# Altium PCB LimeSDR-Micro_M.2_2280_1v1.PcbDoc (part 5 of 7) (continued)
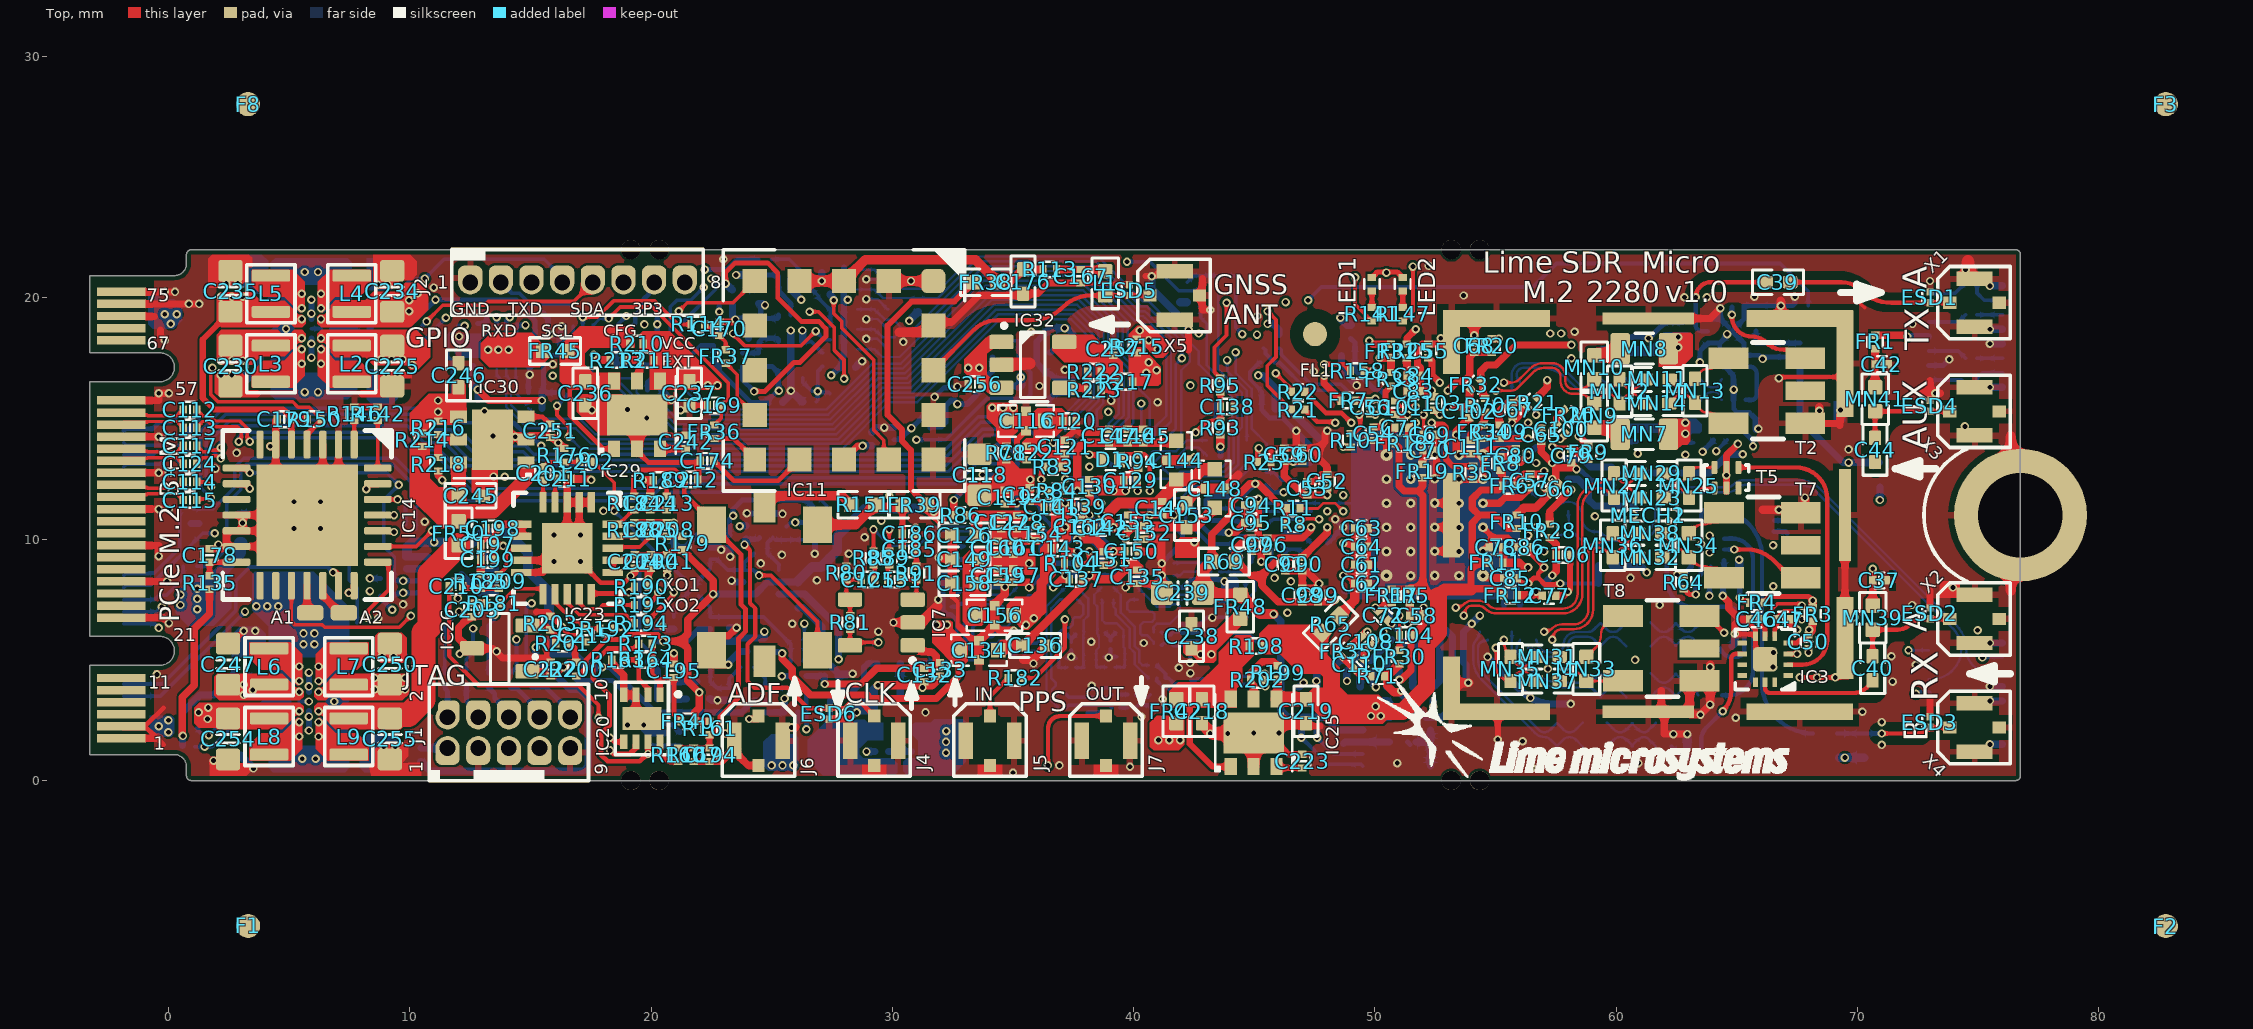
[diagram p0: Top view]
## Nets (pads, with @x,y where several pads share a name; then routed paths per layer and width w, separated by ;. In a path a pad name is that pad's centre, name@x,y a point inside that pad or via, vN(x,y) a via of type N, cw(c..) or ccw(c..) an arc to the next point about the centre after c; other vN are vias at no path point) (continued)
NetIC25_5: IC25.5 R199.2 R202.1 | length 2.6
  Top w0.3: IC25.5@44.905,3.445 IC25.5@44.975,3.375 44.975,3.925 44.85,4.05 R202.1@44.85,4.175 44.85,4.451 45.324,4.925 45.799,4.925 45.95,4.774 45.95,4.755 R199.2@45.975,4.755
NetIC26_2: IC26.2 R201.2 R203.1 | length 1.7
  Top w0.25: IC26.2@14.876,6.425 15.646,6.425 R203.1@15.826,6.245 15.851,6.245 15.876,6.22 15.876,6.195 16.04,6.031 16.04,5.699 R201.2@16.051,5.688
NetIC27_A2: IC27.A2 IC27.B2 L3.1
  other v1: 5.525,17.275 5.525,17.875
NetIC27_A4: IC27.A4 IC27.B4 L2.1
  other v1: 6.325,17.275 6.325,17.875
NetIC27_F2: IC27.F2 IC27.G2 L5.1
  other v1: 5.525,19.575 5.525,20.175
NetIC27_F4: IC27.F4 IC27.G4 L4.1
  other v1: 6.325,19.575 6.325,20.175
NetIC28_5: IC28.5 R205.2 R206.1 | length 1.8
  Bottom w0.3: R206.1@29.84,1.2 30.09,1.2 30.315,1.426 ; R205.2@30.79,1.2 30.541,1.2 30.315,1.426 ; 30.315,1.426 IC28.5@30.315,2.04 ; IC28.5@30.315,2.04 IC28.5@30.325,2.05 IC28.5@30.315,2.04
NetIC29_5: IC29.5 R211.2 R213.1 | length 1.6
  Top w0.3: R213.1@18.865,17.425 R211.2@19.565,17.425 19.525,17.385 19.525,16.65 IC29.5@19.425,16.55 ; IC29.5@19.34,16.56 IC29.5@19.35,16.55
NetIC30_5: IC30.5 R216.2 R218.1 | length 1.8
  Top w0.3: R218.1@11.175,13.39 11.175,13.91 11.39,14.125 ; R216.2@11.175,14.34 11.39,14.125 ; IC30.5@12.025,14.125 11.39,14.125
NetIC31_A2: IC31.A2 IC31.B2 L7.1
  other v1: 6.225,4.125 6.225,4.725
NetIC31_A4: IC31.A4 IC31.B4 L6.1
  other v1: 5.425,4.125 5.425,4.725
NetIC31_C5: IC31.C5 IC31.D3 IC31.D4 R219.2 | length 3.9
  L6 w0.15: v2(4.55,3.675) 4.95,3.275 v1(5.825,3.275)
  Bottom w0.15: R219.2@3.325,4.425 4.075,3.675 IC31.C5@5.025,3.675 ; IC31.D4@5.425,3.275 v1(5.825,3.275)
NetIC31_F2: IC31.F2 IC31.G2 L9.1
  other v1: 6.225,1.825 6.225,2.425
NetIC31_F4: IC31.F4 IC31.G4 L8.1
  other v1: 5.425,1.825 5.425,2.425
NetIC32_4: IC32.4 R222.2 R223.1 | length 1.7
  Top w0.3: IC32.4@37.125,16.275 38.02,16.275 38.07,16.225 R223.1@38.095,16.225 ; R223.1@38.095,16.2 R223.1@38.095,16.225 ; R222.2@38.095,16.95 R223.1@38.095,16.225
NetJ1_1: J1.1 pad.2@11.57,1.15 R72.1 | length 1.1
  Bottom w0.3: R72.1@10.48,1.35 J1.1@11.57,1.35
NetJ1_2: J1.2 pad.2@11.57,2.82 pad.2@11.62,2.82 R73.2 | length 1.3
  Bottom w0.2: R73.2@11.45,3.87 11.475,3.87 11.475,3.798 11.57,3.703 J1.2@11.57,2.62
NetJ1_4: J1.4 pad.2@12.84,2.82 R74.2 | length 1.5
  Bottom w0.2: R74.2@12.35,3.87 12.35,3.31 pad.2@12.84,2.82 J1.4@12.84,2.62
NetJ1_6: J1.6 pad.2@14.11,2.82 R75.2 | length 1.6
  Bottom w0.2: R75.2@13.25,3.87 13.525,3.595 13.525,3.405 pad.2@14.11,2.82 J1.6@14.11,2.62
NetJ1_8: J1.8 pad.2@15.38,2.82 R76.2 | length 1.9
  Bottom w0.2: R76.2@14.15,3.87 14.175,3.87 14.225,3.82 14.43,3.82 15.38,2.87 pad.2@15.38,2.82 J1.8@15.38,2.62
NetJ1_10: J1.10 pad.2@16.65,2.82 R77.1 | length 2.3
  Bottom w0.2: R77.1@15.05,3.87 15.63,3.87 16.65,2.85 pad.2@16.65,2.82 J1.10@16.65,2.62
NetLED1_K: LED1.K R141.1 | length 0.7
  Top w0.2: R141.1@49.875,19.605 LED1.K@49.875,20.29
NetLED2_K: LED2.K R147.1 | length 0.7
  Top w0.2: R147.1@51.15,19.605 LED2.K@51.15,20.29
NetMN7_1: MN7.1 MN9.2 | length 1.2
  Top w0.6: MN9.2@59.091,14.625 59.891,14.625 MN7.1@60.166,14.35
NetMN8_1: MN8.1 MN10.2 | length 1.2
  Top w0.6: MN10.2@59.091,17.625 59.891,17.625 MN8.1@60.166,17.9
NetR2_2: R2.2 R3.2 R4.2 | length 0.6
  Bottom w0.15: R2.2@37.231,6.05 37.416,5.865 ; R3.2@37.416,5.74 37.416,5.865 ; R4.2@37.601,6.05 37.416,5.865
NetR16_2: R16.2 R17.2 R18.2 | length 0.7
  Bottom w0.15: R18.2@38.831,6.125 39.041,5.915 ; R17.2@39.041,5.79 39.041,5.915 ; R16.2@39.251,6.125 39.041,5.915
NetR82_1: R82.1 TP1.1 | length 1.1
  Bottom w0.2: R82.1@43.036,14.66 43.416,15.04 TP1.1@43.416,15.6
NetR151_1: R151.1 XO1.6 | length 4.1
  Top w0.4: XO1.6@24.7,11.35 24.7,11.55 24.95,11.8 27.925,11.8 R151.1@28.3,11.425
NetR182_1: R182.1 R183.1 | length 52.4
  Top w0.15: v1(23.4,18.525) 23.4,18.503 23.878,18.025 26.225,18.025 v1(26.825,18.625) v1@26.825,18.525
  Top w0.18: R182.1@35.365,4.25 35.9,4.25 37.15,5.5 v1(37.15,6.675)
  L4 w0.1: v1(23.4,18.525) 22.75,17.875 22.475,17.875 21.3,16.7 21.3,15.925 22.163,15.062 25.362,15.062 26.774,16.474 27.175,16.474 27.374,16.275 29.8,16.275 32.75,19.225 42.825,19.225 43.325,18.725 43.325,17.95 43.175,17.8 43.175,16.9 44.275,15.8 44.275,13.675 42.675,12.075 42.675,11.25 39.925,8.5 39.65,8.5 37.825,6.675 v1(37.15,6.675)
  Bottom w0.15: v1(26.825,18.625) 27.185,18.265 R183.1@27.43,18.265
PCIE_PER0_N: C124.1 J3.P47 | length 2.7
  Top w0.14: J3.P47@-1.95,13.25 -1.845,13.355 -0.873,13.355 -0.848,13.38 0.365,13.38 ; 0.36,13.38 C124.1@0.615,13.125
PCIE_PER0_P: C117.1 J3.P49 | length 2.7
  Top w0.14: J3.P49@-1.95,13.75 -1.845,13.645 -0.873,13.645 -0.848,13.62 0.36,13.62 C117.1@0.615,13.875
PCIE_PERST#: J3.P50 R95.1 R140.2 R212.1 | length 59.1
  Top w0.15: R95.1@43.596,16.668 43.571,16.668 43.496,16.743 43.496,16.768 43.35,16.914 43.35,17.95 43.85,18.45 v1(43.85,19.8)
  L6 w0.1: v2(0.975,13.425) 0.975,13.075 1.5,12.55 1.975,12.55 2.95,11.575 3.675,11.575 7.975,15.875 7.975,17.625 8.8,18.45 11.034,18.45 11.5,18.916 v1(11.5,19.175) 12.3,19.975 23.35,19.975 24.25,20.875 26.55,20.875 26.9,21.225 38.933,21.225 39.583,20.575 41.625,20.575 42.075,21.025 42.625,21.025 v1(43.85,19.8)
  Bottom w0.15: J3.P50@-1.85,14 -1.75,13.9 -0.737,13.9 0.445,13.9 0.55,13.795 0.55,13.77 0.625,13.695 R140.2@0.65,13.695 0.68,13.695 v2@1.025,13.35 ; R212.1@9.455,18.05 10.375,18.05 v1(11.5,19.175)
PCIE_PET0_N: C115.1 J3.P41 | length 2.7
  Top w0.14: J3.P41@-1.95,11.75 -1.845,11.855 -0.873,11.855 -0.848,11.88 0.365,11.88 ; 0.36,11.88 C115.1@0.615,11.625
PCIE_PET0_P: C114.1 J3.P43 | length 2.7
  Top w0.14: J3.P43@-1.95,12.25 -1.845,12.145 -0.873,12.145 -0.848,12.12 0.36,12.12 C114.1@0.615,12.375
PCIE_PPS_IN: J3.P46 R177.1 | length 36.8
  L6 w0.1: v2(-0.225,13.25) 0.325,13.25 1.975,14.9 3.267,14.9 3.7,14.467 3.7,13.817 2.85,12.967 2.85,12.1 3.175,11.775 3.51,11.775 7.775,16.04 7.775,17.708 8.742,18.675 10.865,18.675 11.125,18.935 11.125,19.325 11.85,20.05 11.85,20.899 12.241,21.29 21.735,21.29 21.85,21.175 v1(22.225,21.175)
  Bottom w0.15: J3.P46@-1.85,13 -1.75,13.1 -0.737,13.1 -0.375,13.1 v2(-0.225,13.25)
  Bottom w0.2: v1(22.225,21.175) 23.15,21.175 23.575,21.6 R177.1@24.445,21.6
PCIE_PPS_OUT: J3.P48 R193.1 | length 2.9
  Bottom w0.15: J3.P48@-1.85,13.5 -0.625,13.5 -0.475,13.65 0.005,13.65 0.575,13.08 0.575,13.055 0.65,12.98 R193.1@0.675,12.98
PCIE_REF_CLK_N: C113.1 J3.P53 | length 2.7
  Top w0.14: J3.P53@-1.95,14.75 -1.845,14.855 -0.873,14.855 -0.848,14.88 0.365,14.88 ; 0.36,14.88 C113.1@0.615,14.625
PCIE_REF_CLK_P: C112.1 J3.P55 | length 2.7
  Top w0.14: J3.P55@-1.95,15.25 -1.845,15.145 -0.873,15.145 -0.848,15.12 0.36,15.12 C112.1@0.615,15.375
PCIE_W_DISABLE1#: IC14.4 J3.P8 R150.2 | length 24.5
  Top w0.15: v1@1.75,17.075 1.75,16.003 2.053,15.7 5.15,15.7 5.375,15.475 5.837,15.475 6.237,15.075 6.25,15.075 6.325,15 R150.2@6.325,14.975
  Top w0.2: IC14.4@5.75,13.925 5.75,14.35 R150.2@6.35,14.95
  L4 w0.1: v1(1.825,17.1) 1.825,14.725 2.5,14.05 2.5,12.375 2.675,12.2 2.675,7.5 v1(3.175,7)
  Bottom w0.15: J3.P8@-1.85,3.5 -0.325,3.5 v1(3.175,7)
PCIE_W_DISABLE2#: J3.P26 R79.1 R145.2 | length 25.6
  L6 w0.1: v1(1.925,10.25) 3.15,10.25 8.458,15.558 8.458,17.542 8.965,18.05 11.2,18.05 12,18.85 v1(12.275,18.85)
  Bottom w0.15: J3.P26@-1.85,8 -1.756,8.094 -0.733,8.094 -0.678,8.15 -0.575,8.252 1.422,10.25 v1(1.925,10.25) ; v1(12.275,18.85) 12.005,18.85 11.575,18.42 11.575,17.575 11.77,17.38 11.77,15.285 11.775,15.28 11.775,15.25 12.2,14.825 R79.1@13.295,14.825
R1_N: C124.2 IC6.R2 | length 37.3
  Top w0.14: C124.2@1.175,13.125 1.43,13.38 1.769,13.38 1.844,13.455 2.013,13.455 2.118,13.35 v1(2.175,13.35)
  Bottom w0.14: v1(2.175,13.35) 2.137,13.35 1.83,13.657 1.83,14.215 2.555,14.94 9.999,14.94 10.689,14.25 11.525,14.25 11.666,14.109 12.475,13.3 14.5,13.3 14.51,13.29 14.524,13.29 14.769,13.045 32.209,13.045 33.724,14.56 35.107,14.56 IC6.R2@35.167,14.5
R1_P: C117.2 IC6.P2 | length 36.3
  Top w0.14: C117.2@1.175,13.875 1.43,13.62 1.67,13.62 1.745,13.695 2.07,13.695 v1(2.175,13.8)
  Bottom w0.14: v1(2.175,13.8) 2.175,14.221 2.654,14.7 9.9,14.7 10.59,14.01 11.426,14.01 12.386,13.05 14.425,13.05 14.67,12.805 32.309,12.805 33.824,14.32 34.847,14.32 IC6.P2@35.167,14
RX1_H: IC3.2 T5.1 | length 12.5
  Top w0.18: T5.1@65.066,12.975 67.441,12.975 cw(c67.441,11.675) 68.741,11.675 68.741,5.818 cw(c67.722,5.818) 67.722,4.8 IC3.2@67.118,4.8
RX1_H_A_N: IC1.AJ15 MN27.1 MN29.2 | length 12.8
  Top w0.1: v1(53.348,7.166) cw(c53.43,7.084) 53.43,7.2 ccw(c53.43,7.546) 53.675,7.301 cw(c54.034,6.943) 54.034,7.45 54.265,7.45 cw(c54.265,6.826) 54.706,7.267 ; 54.707,7.266 ccw(c55.049,7.608) 55.049,7.125 57.791,7.125 ccw(c57.791,7.731) 58.397,7.731 58.397,11.43 cw(c59.144,11.43) 58.616,11.958 58.796,12.138 ; 58.852,12.194 58.796,12.138 ; 59.25,12.325 ccw(c59.25,11.681) 58.796,12.138 ; 59.251,12.325 ccw(c59.251,12.96) 59.7,12.511 MN27.1@59.889,12.7 ; MN27.1@59.914,12.725 MN27.1@59.889,12.7 ; MN29.2@60.964,12.725 60.67,12.432 cw(c60.413,12.69) 60.414,12.325 cw(c60.415,12.69) 60.157,12.432 MN27.1@59.889,12.7
RX1_H_A_P: IC1.AK14 MN23.2 MN27.2 | length 12.6
  Top w0.1: v1(53.681,6.833) ccw(c53.599,6.915) 53.715,6.915 53.715,6.923 cw(c54.042,6.923) 53.811,7.154 cw(c54.042,6.923) 54.042,7.25 54.264,7.25 cw(c54.264,6.823) 54.566,7.124 ccw(c55.048,7.606) 55.048,6.925 57.791,6.925 ccw(c57.791,7.731) 58.597,7.731 58.597,11.347 cw(c59.344,11.347) 58.816,11.875 58.935,11.994 cw(c59.251,11.678) 59.251,12.125 cw(c59.251,11.49) 59.7,11.939 MN27.2@59.889,11.75 ; MN27.2@59.914,11.725 MN27.2@59.889,11.75 ; MN23.2@60.964,11.725 60.67,12.018 ccw(c60.413,11.76) 60.414,12.125 ccw(c60.415,11.76) 60.157,12.018 MN27.2@59.889,11.75
RX1_H_B_N: MN25.1 MN29.1 T5.3 | length 2.6
  Top w0.1: MN29.1@61.964,12.725 62.257,12.432 ccw(c62.515,12.69) 62.515,12.325 ; 62.513,12.325 ccw(c62.513,12.69) 62.77,12.432 MN25.1@63.039,12.7 ; MN25.1@63.014,12.725 cw(c63.264,12.725) 63.264,12.975 T5.3@64.066,12.975
RX1_H_B_P: MN23.1 MN25.2 T5.4 | length 2.5
  Top w0.1: MN23.1@61.964,11.725 62.257,12.018 cw(c62.515,11.76) 62.514,12.125 cw(c62.513,11.76) 62.77,12.018 MN25.2@63.017,11.772 ; MN25.2@63.014,11.725 cw(c63.414,11.725) MN25.2@63.017,11.772 ; MN25.2@63.039,11.75 MN25.2@63.017,11.772 ; MN25.2@63.142,11.772 cw(c63.539,11.725) 63.539,12.125 T5.4@64.066,12.125
RX1_L: IC3.9 T3.2 | length 6.3
  Top w0.18: v1(64.416,2.875) ccw(c63.571,3.72) 64.766,3.72 64.766,5.05 cw(c64.966,5.05) 64.966,5.25 IC3.9@65.213,5.25
  Bottom w0.18: T3.2@62.291,1.41 62.627,1.074 ccw(c62.866,1.313) 62.866,0.975 63.191,0.975 ccw(c63.191,1.3) 63.516,1.3 63.516,1.662 cw(c64.27,1.662) 63.737,2.196 v1(64.416,2.875)
RX1_L_A_N: IC1.AM12 MN19.1 MN21.2 | length 7.7
  Bottom w0.1: IC1.AM12@54.313,6.085 cw(c53.967,6.085) 54.212,5.84 ccw(c54.552,5.499) 54.071,5.499 54.071,5.018 ccw(c55.232,5.018) 54.411,4.197 ; IC1.AM12@54.313,6.085 cw(c54.429,6.085) IC1.AM12@54.347,6.167 ; 54.437,4.171 56.517,2.091 56.658,1.95 ccw(c57.011,2.302) 57.011,1.803 57.012,1.803 cw(c57.012,1.439) 57.27,1.697 MN19.1@57.538,1.428 ; MN19.1@57.563,1.403 MN19.1@57.538,1.428 ; MN21.2@58.613,1.403 58.32,1.697 ccw(c58.062,1.439) 58.063,1.803 ccw(c58.064,1.439) 57.807,1.697 MN19.1@57.538,1.428
RX1_L_A_P: IC1.AN11 MN16.2 MN19.2 | length 7.3
  Bottom w0.1: IC1.AN11@54.68,5.834 cw(c54.598,5.916) 54.598,5.8 54.588,5.8 ccw(c54.588,5.477) 54.36,5.706 ccw(c54.576,5.49) 54.271,5.49 54.271,5.055 ccw(c55.32,5.055) 54.578,4.313 54.637,4.254 56.717,2.174 56.799,2.092 ccw(c57.012,2.305) 57.012,2.003 ccw(c57.012,2.368) 57.27,2.11 57.538,2.378 57.807,2.11 ccw(c58.064,2.368) 58.063,2.004 ccw(c58.062,2.368) 58.32,2.11 MN16.2@58.613,2.403
RX1_L_B_N: MN17.1 MN21.1 T3.3 | length 2.7
  Bottom w0.1: MN21.1@59.613,1.403 59.907,1.697 cw(c60.164,1.439) 60.164,1.803 ; 60.162,1.803 cw(c60.162,1.439) 60.42,1.697 MN17.1@60.688,1.428 ; MN17.1@60.638,1.429 60.907,1.697 cw(c61.164,1.439) 61.164,1.803 cw(c61.164,1.586) 61.318,1.74 T3.3@61.641,1.417
RX1_L_B_P: MN16.1 MN17.2 T3.4 | length 2.7
  Bottom w0.1: MN16.1@59.613,2.403 59.907,2.11 ccw(c60.164,2.368) 60.163,2.004 ccw(c60.162,2.368) 60.42,2.11 MN17.2@60.688,2.378 ; MN17.2@60.638,2.378 60.663,2.354 60.907,2.11 ccw(c61.164,2.368) 61.164,2.004 ccw(c61.164,2.221) 61.318,2.067 T3.4@61.641,2.39
RX1_W: IC3.3 T8.1 | length 5
  Top w0.18: T8.1@63.456,6.82 T8.1@63.721,6.82 ; T8.1@63.746,6.845 v1(64.466,6.125) ; IC3.3@67.118,5.25 v1(67.491,5.25)
  L6 w0.1: v1@64.441,6.1 ccw(c64.501,6.1) 64.458,6.057 64.666,5.85 ccw(c65.028,6.212) 65.028,5.7 66.454,5.7 cw(c66.454,5.25) 66.773,5.568 66.808,5.533 ccw(c67.491,6.216) v1(67.491,5.25)
RX1_W_A_N: IC1.AP10 MN35.1 MN37.2 | length 3
  Top w0.1: v1(55.013,5.501) 55.013,4.727 ccw(c55.591,4.727) 55.591,4.15 55.859,4.418 cw(c56.117,4.16) 56.117,4.525 ; 56.115,4.525 cw(c56.115,4.16) 56.372,4.418 MN37.2@56.666,4.125
RX1_W_A_P: IC1.AN9 MN31.2 MN35.2 | length 2.4
  Top w0.1: v1(55.346,5.834) 55.346,5.776 ccw(c56.266,5.776) MN35.2@55.616,5.125 MN35.2@55.411,5.125 ; MN35.2@55.591,5.1 55.859,4.832 ccw(c56.117,5.09) 56.117,4.725 ; 56.115,4.725 ccw(c56.115,5.09) 56.372,4.832 MN31.2@56.666,5.125
RX1_W_B_N: MN33.1 MN37.1 T8.4 | length 2.9
  Top w0.1: MN37.1@57.666,4.125 57.959,4.418 cw(c58.217,4.16) 58.217,4.525 ; 58.215,4.525 cw(c58.215,4.16) 58.472,4.418 MN33.1@58.741,4.15 ; MN33.1@58.766,4.125 T8.4@60.276,4.125
RX1_W_B_P: MN31.1 MN33.2 T8.6 | length 3.8
  Top w0.1: MN31.1@57.666,5.125 57.959,4.832 ccw(c58.217,5.09) 58.217,4.725 ; 58.215,4.725 ccw(c58.215,5.09) 58.472,4.832 MN33.2@58.741,5.1 ; MN33.2@58.766,5.125 59.136,5.495 ccw(c58.581,6.05) 59.366,6.05 ; 59.366,6.084 cw(c59.827,6.084) 59.501,6.41 59.501,6.42 59.643,6.562 59.653,6.562 cw(c60.276,5.939) T8.6@60.276,6.82
RX2_H: IC4.2 T6.1 | length 8.2
  Bottom w0.18: T6.1@64.399,3.53 64.659,3.53 ccw(c64.659,4.536) 65.666,4.536 65.666,9.179 ccw(c64.819,9.179) 64.819,10.025 IC4.2@64.468,10.025
RX2_H_A_N: IC1.AM8 MN28.1 MN30.2 | length 6.7
  Bottom w0.1: IC1.AM8@55.679,6.167 55.671,6.159 55.671,5.493 ccw(c56.591,5.493) 55.941,4.842 56.377,4.406 ccw(c57.709,5.739) 57.709,3.855 58.485,3.855 58.817,3.855 cw(c58.817,3.49) 59.075,3.748 MN28.1@59.343,3.48 ; MN28.1@59.368,3.455 MN28.1@59.343,3.48 ; MN30.2@60.418,3.455 60.125,3.748 ccw(c59.867,3.49) 59.868,3.854 ccw(c59.869,3.49) 59.612,3.748 MN28.1@59.343,3.48
RX2_H_A_P: IC1.AN7 MN24.2 MN28.2 | length 6
  Bottom w0.1: IC1.AN7@56.012,5.834 cw(c55.909,5.834) 55.982,5.761 ccw(c56.25,5.494) 55.871,5.494 ccw(c56.593,5.494) 56.083,4.983 56.516,4.55 ccw(c57.712,5.746) 57.712,4.055 58.485,4.055 ; 58.488,4.055 58.817,4.055 ccw(c58.817,4.419) 59.075,4.161 59.343,4.43 59.612,4.161 ccw(c59.869,4.419) 59.868,4.055 ccw(c59.867,4.419) 60.125,4.161 MN24.2@60.418,4.455
RX2_H_B_N: MN26.1 MN30.1 T6.3 | length 2.7
  Bottom w0.1: MN30.1@61.418,3.455 61.712,3.748 cw(c61.969,3.49) 61.969,3.854 ; 61.967,3.854 cw(c61.967,3.49) 62.225,3.748 MN26.1@62.468,3.505 ; MN26.1@62.443,3.48 MN26.1@62.468,3.505 ; MN26.1@62.493,3.48 MN26.1@62.468,3.505 ; T6.3@63.399,3.53 cw(c63.519,3.65) 63.349,3.65 ccw(c63.144,3.65) 63.144,3.855 62.969,3.855 ccw(c62.969,3.49) 62.712,3.748 MN26.1@62.468,3.505
RX2_H_B_P: MN24.1 MN26.2 T6.4 | length 2.7
  Bottom w0.1: MN24.1@61.418,4.455 61.712,4.161 ccw(c61.969,4.419) 61.969,4.055 ; 61.967,4.055 ccw(c61.967,4.419) 62.225,4.161 MN26.2@62.493,4.43 ; MN26.2@62.443,4.43 62.712,4.161 ccw(c62.969,4.419) 62.969,4.055 63.144,4.055 ccw(c63.144,4.259) 63.349,4.259 cw(c63.519,4.259) T6.4@63.399,4.38
RX2_L: IC4.9 T4.2 | length 8.4
  Bottom w0.18: IC4.9@62.563,9.575 62.416,9.575 ccw(c62.416,9.25) 62.194,9.487 ccw(c62.416,9.25) 62.091,9.25 62.091,8.325 ccw(c63.216,8.325) 63.216,7.2 64.545,7.2 cw(c64.545,6.445) 65.3,6.445 65.3,5.43 cw(c65,5.43) 65,5.13 64.725,5.13 cw(c64.725,5.467) 64.486,5.229 T4.2@64.15,5.565
RX2_L_A_N: IC1.AP6 MN20.1 MN22.2 | length 5.1
  Bottom w0.1: IC1.AP6@56.345,5.501 ccw(c56.427,5.583) 56.427,5.467 cw(c56.427,5.121) 56.672,5.366 56.752,5.286 ccw(c57.14,5.674) 57.14,5.125 57.516,5.125 ccw(c57.516,5.625) 58.016,5.625 cw(c58.345,5.625) 58.345,5.954 58.817,5.954 cw(c58.817,5.59) 59.075,5.848 MN20.1@59.343,5.58 ; MN20.1@59.368,5.555 MN20.1@59.343,5.58 ; MN22.2@60.418,5.555 60.125,5.848 ccw(c59.867,5.59) 59.868,5.954 ccw(c59.869,5.59) 59.612,5.848 MN20.1@59.343,5.58
RX2_L_A_P: IC1.AN5 MN15.2 MN20.2 | length 4.9
  Bottom w0.1: IC1.AN5@56.678,5.834 cw(c56.596,5.752) 56.712,5.752 ccw(c57.059,5.752) 56.814,5.507 56.893,5.427 ccw(c57.141,5.675) 57.141,5.325 57.516,5.325 ccw(c57.516,5.625) 57.816,5.625 cw(c58.345,5.625) 58.345,6.155 58.817,6.155 ccw(c58.817,6.519) 59.075,6.261 59.343,6.53 59.612,6.261 ccw(c59.869,6.519) 59.868,6.155 ccw(c59.867,6.519) 60.125,6.261 MN15.2@60.418,6.555
RX2_L_B_N: MN18.1 MN22.1 T4.3 | length 2.7
  Bottom w0.1: MN22.1@61.418,5.555 61.712,5.848 cw(c61.969,5.59) 61.968,5.954 cw(c61.967,5.59) 62.225,5.848 MN18.1@62.468,5.605 ; MN18.1@62.443,5.58 MN18.1@62.468,5.605 ; MN18.1@62.493,5.58 MN18.1@62.468,5.605 ; T4.3@63.5,5.565 63.21,5.855 ccw(c62.969,5.614) 62.969,5.955 ccw(c62.969,5.59) 62.712,5.848 MN18.1@62.468,5.605
RX2_L_B_P: MN15.1 MN18.2 T4.4 | length 2.7
  Bottom w0.1: MN15.1@61.418,6.555 61.712,6.261 ccw(c61.969,6.519) 61.968,6.155 ccw(c61.967,6.519) 62.225,6.261 MN18.2@62.468,6.504 ; MN18.2@62.443,6.53 MN18.2@62.468,6.504 ; MN18.2@62.493,6.53 MN18.2@62.468,6.504 ; T4.4@63.5,6.545 63.21,6.254 cw(c62.969,6.495) 62.969,6.155 cw(c62.969,6.519) 62.712,6.261 MN18.2@62.468,6.504
RX2_W: IC4.3 T7.3 | length 3.5
  Top w0.18: v1(64.891,9.575) 65.429,9.575 cw(c65.429,8.039) 66.516,9.125 66.969,8.672 ccw(c67.613,9.315) T7.3@67.613,8.405
  Bottom w0.18: IC4.3@64.468,9.575 v1(64.891,9.575)
RX2_W_A_N: IC1.AM4 MN36.1 MN38.2 | length 7.4
  Top w0.1: v1(57.011,6.167) cw(c57.093,6.085) 57.093,6.201 ccw(c57.093,6.547) 57.338,6.302 ; 57.339,6.303 cw(c57.754,5.888) 57.754,6.475 58.235,6.475 ccw(c58.235,7.081) 58.841,7.081 58.841,9.5 cw(c59.191,9.5) 59.191,9.85 ccw(c59.191,10.485) 59.64,10.036 MN36.1@59.829,10.225 ; MN36.1@59.854,10.25 MN36.1@59.829,10.225 ; MN38.2@60.904,10.25 60.61,9.957 cw(c60.353,10.215) 60.354,9.85 cw(c60.355,10.215) 60.097,9.957 MN36.1@59.829,10.225
RX2_W_A_P: IC1.AN3 MN32.2 MN36.2 | length 7.2
  Top w0.1: v1(57.344,5.834) ccw(c57.262,5.916) 57.378,5.916 cw(c57.725,5.916) 57.48,6.161 cw(c57.755,5.886) 57.755,6.275 58.235,6.275 ccw(c58.235,7.081) 59.041,7.081 59.041,9.5 cw(c59.191,9.5) 59.191,9.65 cw(c59.191,9.015) 59.64,9.464 MN36.2@59.829,9.275 ; MN36.2@59.854,9.25 MN36.2@59.829,9.275 ; MN32.2@60.904,9.25 60.61,9.543 ccw(c60.353,9.285) 60.354,9.65 ccw(c60.355,9.285) 60.097,9.543 MN36.2@59.829,9.275
RX2_W_B_N: MN34.1 MN38.1 T7.6 | length 3.1
  Top w0.1: MN38.1@61.904,10.25 62.197,9.957 ccw(c62.455,10.215) 62.455,9.85 ; 62.453,9.85 ccw(c62.453,10.215) 62.71,9.957 MN34.1@62.979,10.225 ; MN34.1@63.004,10.25 63.221,10.468 cw(c63.541,10.148) 63.541,10.6 ccw(c63.541,11.633) 64.271,10.903 T7.6@64.464,11.095
RX2_W_B_P: MN32.1 MN34.2 T7.4 | length 2.8
  Top w0.1: MN32.1@61.904,9.25 62.197,9.543 cw(c62.455,9.285) 62.455,9.65 ; 62.453,9.65 cw(c62.453,9.285) 62.71,9.543 MN34.2@62.979,9.275 ; MN34.2@63.221,9.032 ccw(c63.541,9.352) 63.541,8.9 cw(c63.541,7.867) 64.271,8.597 T7.4@64.464,8.405
RX_AUX: C44.1 ESD4.1 MN41.1 X3.1 | length 4.2
  Top w0.18: C44.1@70.725,14.2 MN41.1@70.725,15.3 ESD4.1@73,15.3 X3.1@73.825,15.3
RX_SW2: IC14.25 R60.2 | length 72.2
  Top w0.15: IC14.25@8.675,11 v1(9.35,11)
  L4 w0.1: v1(29.875,11.8) 30.45,11.225 30.45,7.275 31.625,6.1 32.875,6.1 34.342,7.567 34.342,8.16 34.532,8.35 35.825,8.35 36.775,7.4 36.775,6.425 37.775,5.425 39.1,5.425 39.4,5.125 40.75,5.125 42.7,3.175 44.3,3.175 46.025,1.45 48.75,1.45 49.5,2.2 50.875,2.2 52.3,3.625 55.3,3.625 56.9,5.225 57.4,5.225 59.975,7.8 59.975,8.625 60.775,9.425 61.275,9.425 63.575,11.725 v1(63.575,13.625)
  L6 w0.1: v1(9.35,11) 9.825,11 10.95,12.125 29.55,12.125 v1(29.875,11.8)
  Bottom w0.2: v1(63.575,13.625) 63.575,13.639 64.036,14.1 R60.2@64.036,14.125
RX_SW2_DIV: C46.1 C48.1 IC3.6 IC4.6 R60.1 R64.1 | length 20
  Top w0.15: C46.1@66.096,6.675 66.146,6.725 66.146,6.793 66.678,7.325 v1@67.616,7.325
  Top w0.2: R64.1@62.791,7.945 62.816,7.945 62.866,7.895 62.866,7.87 63.024,7.712 63.293,7.712 v1(63.294,7.71) ; C46.1@66.096,6.675 66.096,6.345 66.166,6.275 IC3.6@66.166,5.977
  L4 w0.1: v1(63.294,7.71) 63.959,8.375 65.3,8.375 66.425,7.25 v1(67.691,7.25) 67.691,11.1 66.691,12.1 66.691,13.334 65.825,14.2 65.5,14.2 65.35,14.35 64.846,14.35 v1(64.146,13.65)
  Bottom w0.15: v1(64.146,13.65) 64.146,13.675 64.158,13.675 64.596,14.113 R60.1@64.596,14.125
  Bottom w0.2: v1(63.294,7.71) C48.1@63.294,8.06 63.294,8.354 63.516,8.575 IC4.6@63.516,8.847
RX_SW3: IC14.27 R61.2 | length 74.5
  Top w0.3: v1(8.2,12.075) 8.2,12.089 8.25,12.139 8.25,12.3 IC14.27@8.675,12.3
  L6 w0.1: v1(8.2,12.075) 8.2,9.85 8.95,9.1 9.7,9.1 11.15,7.65 11.15,6.6 11.875,5.875 13.825,5.875 14.175,5.525 14.65,5.525 15.025,5.9 15.609,5.9 15.859,5.65 18.259,5.65 19.209,4.7 21.15,4.7 22.45,6 23.75,6 24.325,6.575 25.4,6.575 25.675,6.85 27.7,6.85 29.15,5.4 35.091,5.4 36.041,6.35 37.575,6.35 38.2,6.975 40.1,6.975 41.3,8.175 ; 41.301,8.175 41.492,8.365 ; 41.492,8.367 42,8.875 42.525,8.875 42.891,9.241 42.891,12.591 44.016,13.716 44.016,14.4 46.291,16.675 46.291,17.36 48.581,19.65 50.659,19.65 50.934,19.375 54.066,19.375 54.391,19.7 58.916,19.7 60.766,17.85 60.766,17.025 62.391,15.4 63.256,15.4 v2(63.806,14.85)
RX_SW3_DIV: C47.1 C49.1 IC3.5 IC4.5 R61.1 R63.1 | length 18.5
  Top w0.15: C47.1@66.636,6.723 66.938,7.025 67.418,7.025 67.691,6.752 v1@67.691,6.7
  Top w0.2: IC3.5@66.566,5.977 66.566,6.275 66.636,6.345 C47.1@66.636,6.675 C47.1@66.636,6.723
  L4 w0.1: v1(65.666,13.85) 65.666,13.845 65.925,13.586 65.925,11.3 64.191,9.566 64.191,9.066 62.966,7.841 62.966,7.55 63.131,7.385 63.596,7.385 v1(63.861,7.65) 64.386,8.175 65.2,8.175 66.35,7.025 67.341,7.025 v1(67.691,6.675)
  Bottom w0.2: v1(63.861,7.65) C49.1@63.861,8 63.916,8.055 IC4.5@63.916,8.847 ; R61.1@64.591,14.85 R63.1@65.231,14.85 65.231,14.51 65.666,14.075 v1(65.666,13.85)
RXA: C40.1 ESD2.1 MN39.1 X2.1 | length 4.4
  Top w0.18: C40.1@70.625,5.15 MN39.1@70.625,6.25 71.667,6.25 ccw(c71.667,6.933) 72.15,6.45 cw(c72.753,5.847) 72.753,6.7 ESD2.1@73,6.7 X2.1@73.825,6.7
RXB: C41.1 ESD3.1 MN40.1 X4.1 | length 4.7
  Top w0.18: v1(71,1.95) 72.397,1.95 ccw(c72.397,2.803) ESD3.1@73,2.2 X4.1@73.825,2.2
  Bottom w0.18: C41.1@69.15,1.95 MN40.1@70.25,1.95 v1(71,1.95)
SMB_CLK_CTRL: IC14.23 IC21.6 R169.1 | length 20.5
  Top w0.15: IC14.23@8.675,9.7 10.275,9.7 v1(10.925,10.35)
  Bottom w0.15: v1(10.925,10.35) 12.175,11.6 20.5,11.6 20.85,11.95 26.725,11.95 27.287,11.388 IC21.6@27.287,10.7
T0_N: C115.2 IC6.R4 | length 40.3
  Top w0.14: C115.2@1.175,11.625 1.216,11.666 v1@1.66,11.666
  Bottom w0.14: 1.432,12.043 1.634,11.841 ; 1.432,12.045 1.335,12.141 1.335,14.485 2.27,15.42 10.355,15.42 11,14.775 11.8,14.775 12.71,13.865 14.799,13.865 15.139,13.525 32.011,13.525 33.566,15.081 35.469,15.081 36.019,14.531 36.136,14.531 IC6.R4@36.167,14.5 ; 1.635,11.841 v1(1.76,11.716)
T0_P: C114.2 IC6.P4 | length 39.7
  Top w0.14: C114.2@1.175,12.375 1.588,12.375 v1(1.777,12.186)
  Bottom w0.14: v1(1.777,12.186) 1.575,12.388 1.575,14.386 2.369,15.18 10.256,15.18 10.901,14.535 11.701,14.535 12.611,13.625 14.7,13.625 15.04,13.285 32.11,13.285 33.666,14.841 35.369,14.841 36.167,14.043 IC6.P4@36.167,14
TDD0_GPIO: J3.P20 R125.2 R134.2 R136.2 | length 63.9
  L4 w0.1: v1(-0.4,6.325) -0.675,6.6 -0.675,8.085 0.775,9.535 0.775,18.4 1.625,19.25 1.625,20.7 2.625,21.7 10.483,21.7 12.266,19.916 15.284,19.916 15.6,19.6 17.275,19.6 18.2,18.675 19.5,18.675 v1(19.725,18.9)
  L6 w0.1: v1(19.725,18.9) 20.062,19.237 20.391,19.237 20.523,19.105 23.045,19.105 23.365,19.425 23.65,19.425 24.85,18.225 26.925,18.225 28.595,19.895 28.595,20.085 28.885,20.375 29.175,20.375 29.825,21.025 38.85,21.025 39.5,20.375 41.95,20.375 v2(42.225,20.65)
  Bottom w0.15: J3.P20@-1.85,6.5 -0.575,6.5 v1(-0.4,6.325) ; v2(42.225,20.65) 42.5,20.925 R125.2@42.787,20.925 R134.2@43.512,20.925 R136.2@44.238,20.925
TDD1_GPIO: J3.P22 R137.2 R138.2 | length 70.2
  L4 w0.1: v1(-0.275,7.2) -0.275,7.55 0.975,8.8 0.975,18.317 1.825,19.167 1.825,20.617 2.708,21.5 10.4,21.5 12.2,19.7 14.435,19.7 15.15,18.985 15.15,18.485 16.25,17.385 16.25,17.1 v1(15.925,16.775)
  L6 w0.1: v1(15.925,16.775) 16.225,16.475 20.95,16.475 21.675,15.75 28.975,15.75 30.875,17.65 30.875,18.375 30.7,18.55 v1(30.7,19.05) 34.175,19.05 36.2,17.025 36.583,17.025 37.033,16.575 39.65,16.575 40.075,16.15 41.45,16.15 42.05,16.75 43.2,16.75 v1(43.875,17.425)
  Bottom w0.1: v1(43.875,17.425) 43.875,16.966 44.691,16.15 R138.2@44.691,14.105
  Bottom w0.15: J3.P22@-1.85,7 -0.475,7 v1(-0.275,7.2)
  Bottom w0.3: v1(30.7,19.05) 31.05,19.4 31.05,19.435 R137.2@31.075,19.435
TX1_1: IC5.11 T1.1 | length 3
  Bottom w0.18: IC5.11@64.791,17.625 64.791,17.425 ccw(c65.066,17.425) 65.066,17.15 65.541,17.15 cw(c65.541,16.875) 65.816,16.875 65.816,15.987 cw(c65.604,15.987) 65.604,15.775 T1.1@65.367,15.775
TX1_1_A_N: IC1.A7 MN1.1 MN5.1 MN6.2 | length 7.2
  Bottom w0.1: IC1.A7@56.012,16.49 ccw(c55.909,16.49) 55.982,16.563 55.962,16.583 cw(c56.181,16.802) 55.871,16.802 cw(c56.181,16.802) 55.962,17.021 cw(c56.152,16.831) 56.152,17.1 56.864,17.1 cw(c56.864,15.545) 57.963,16.644 58.328,16.28 ccw(c58.763,16.715) 58.763,16.1 58.765,16.1 cw(c58.765,15.735) 59.022,15.993 MN1.1@59.316,15.7 59.609,15.993 cw(c59.867,15.735) 59.866,16.1 cw(c59.865,15.735) 60.122,15.993 MN5.1@60.366,15.75 ; MN5.1@60.341,15.725 MN5.1@60.366,15.75 ; MN5.1@60.391,15.725 MN5.1@60.366,15.75 ; MN6.2@61.416,15.7 61.122,15.993 ccw(c60.865,15.735) 60.866,16.1 ccw(c60.867,15.735) 60.609,15.993 MN5.1@60.366,15.75
TX1_1_A_P: IC1.B8 MN2.1 MN3.1 MN5.2 | length 7.8
  Bottom w0.1: IC1.B8@55.679,16.157 55.671,16.165 55.671,16.803 cw(c56.179,16.803) 55.82,17.162 55.821,17.163 cw(c56.151,16.833) 56.151,17.3 56.947,17.3 cw(c56.947,15.745) 58.046,16.844 58.468,16.423 ccw(c58.765,16.72) 58.765,16.3 ccw(c58.765,16.665) 59.022,16.407 MN2.1@59.291,16.675 ; MN2.1@59.316,16.7 59.609,16.407 ccw(c59.867,16.665) 59.866,16.3 ccw(c59.865,16.665) 60.122,16.407 MN5.2@60.366,16.65 ; MN5.2@60.341,16.675 MN5.2@60.366,16.65 ; MN5.2@60.391,16.675 MN5.2@60.366,16.65 ; MN3.1@61.416,16.7 61.122,16.407 cw(c60.865,16.665) 60.866,16.3 cw(c60.867,16.665) 60.609,16.407 MN5.2@60.366,16.65
TX1_1_B_N: MN4.2 MN6.1 T1.3 | length 2.6
  Bottom w0.1: MN6.1@62.416,15.7 62.709,15.993 cw(c62.967,15.735) 62.966,16.1 ; 62.966,16.1 cw(c62.965,15.735) 63.222,15.993 MN4.2@63.466,15.75 ; MN4.2@63.441,15.725 MN4.2@63.466,15.75 ; MN4.2@63.491,15.725 MN4.2@63.466,15.75 ; T1.3@64.367,15.775 cw(c64.487,15.896) 64.317,15.896 ccw(c64.112,15.896) 64.112,16.1 63.967,16.1 ccw(c63.967,15.735) 63.709,15.993 MN4.2@63.466,15.75